# KiCad board Marble.kicad_pcb (continued)
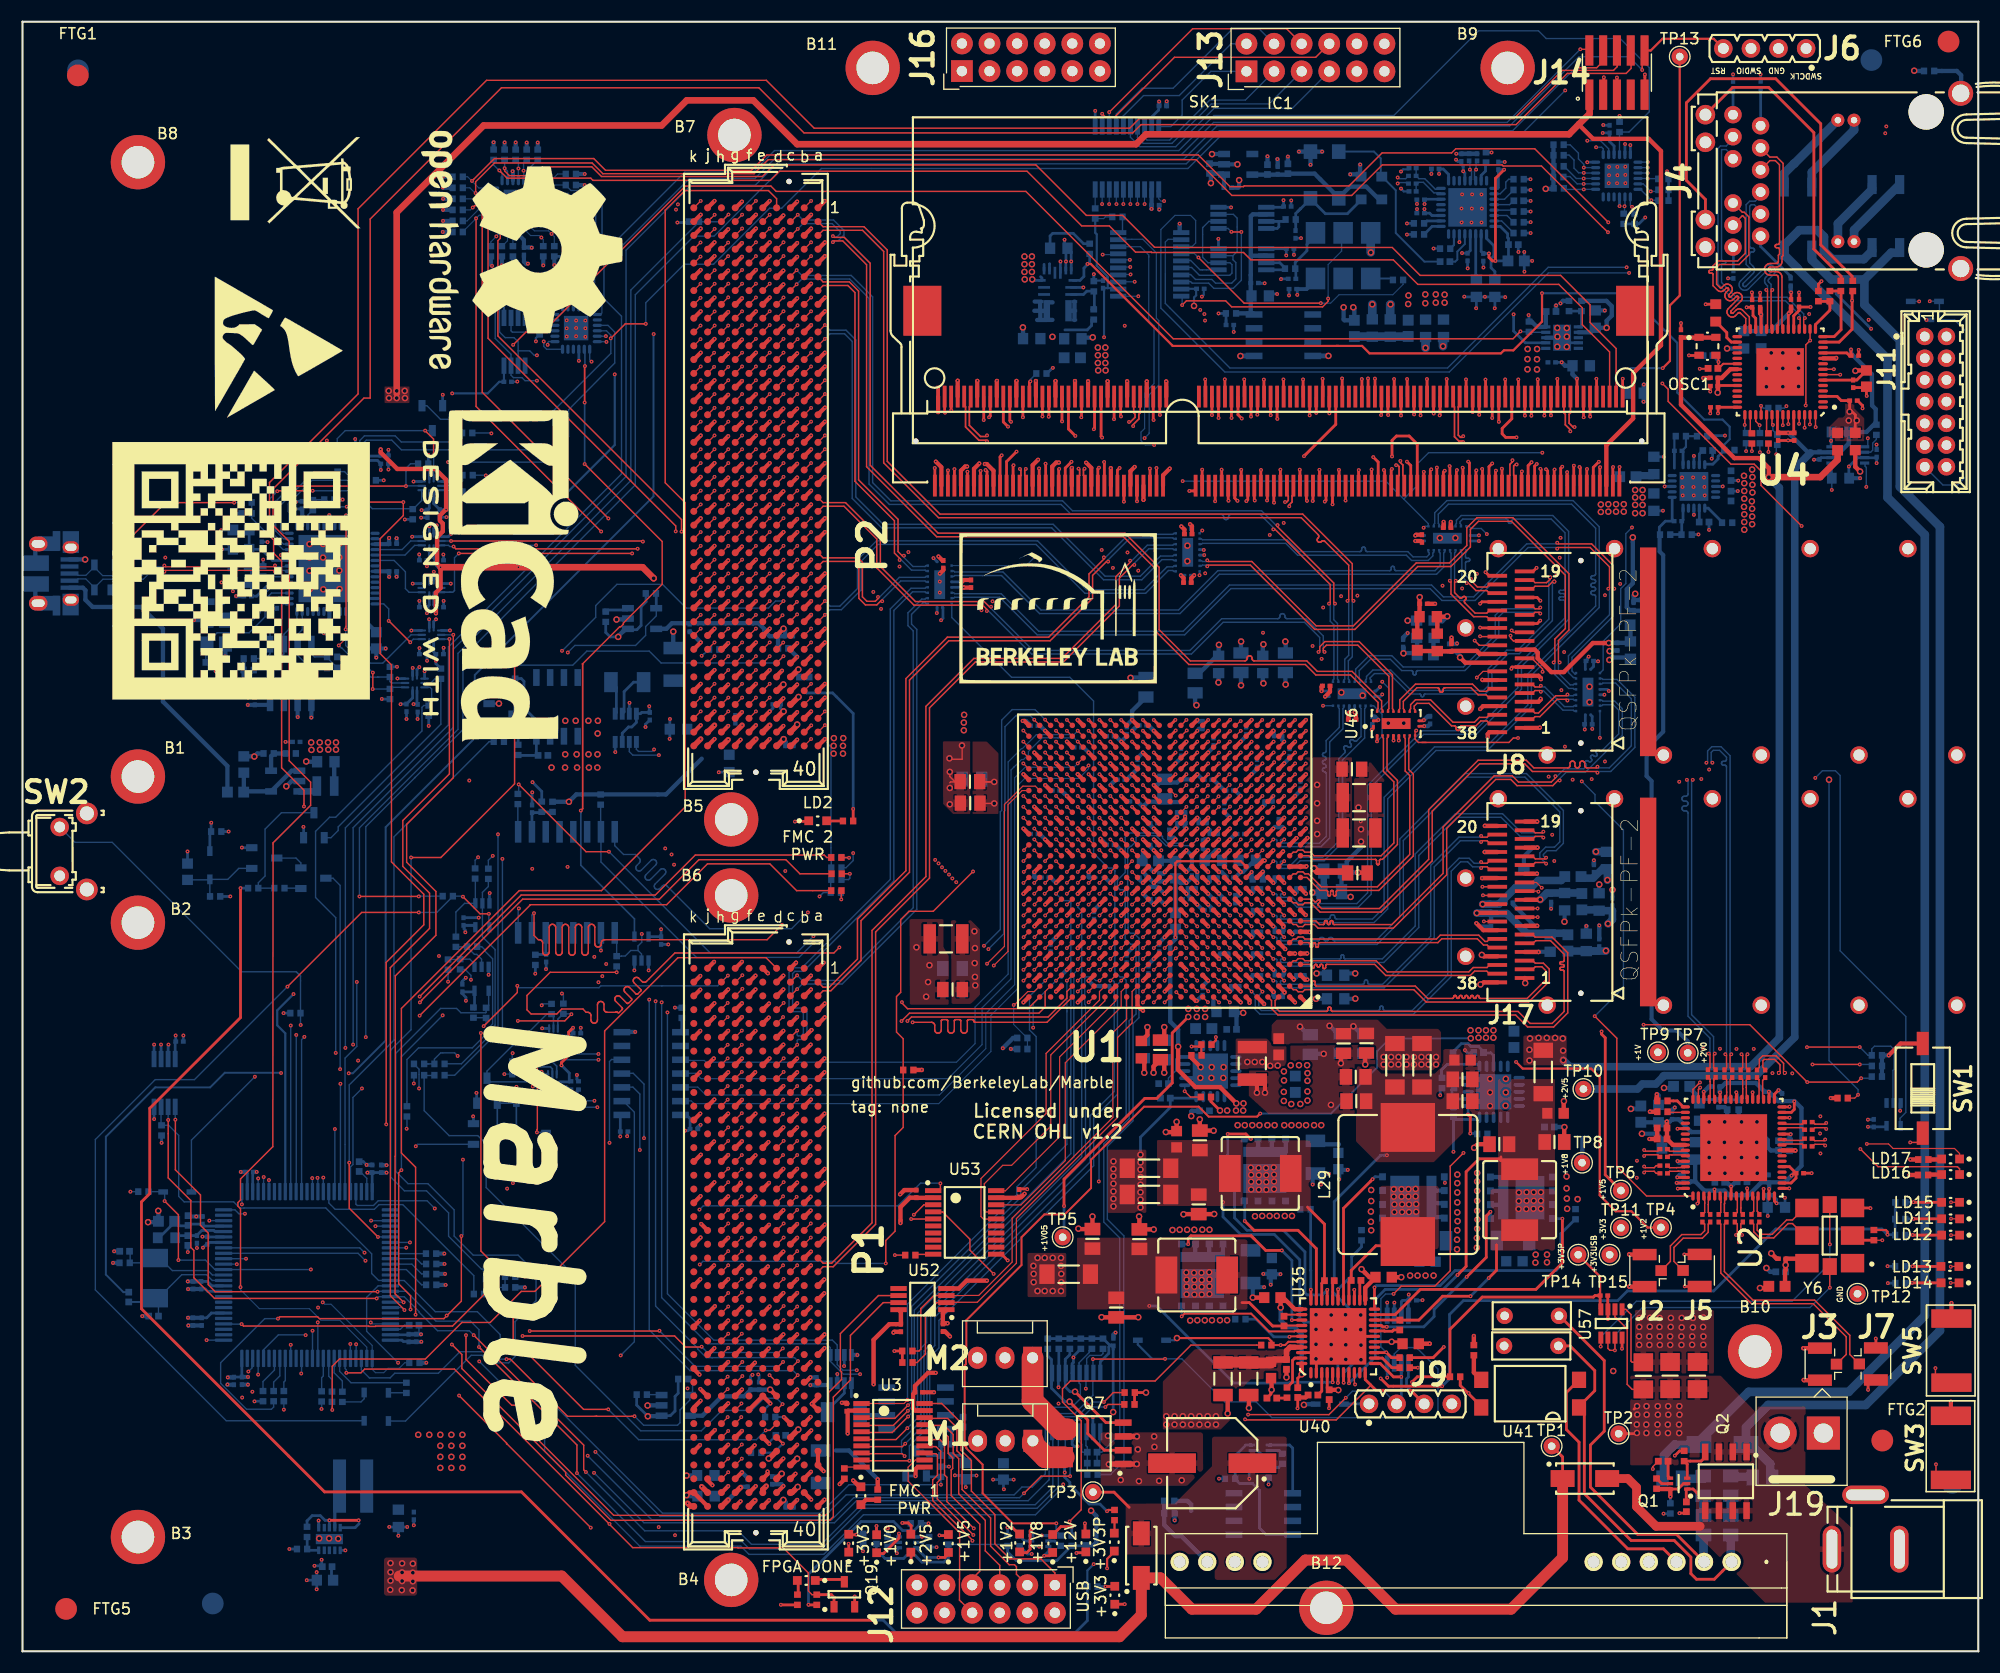
[diagram p0: board, top side]
## Routing (per net, layer and track width the routed paths; a pad name or vN(x,y) marks a point on that pad's centre or on a via; arc(x,y) is an arc through that point) (continued)
/PMOD/Pmod1_C_1: length 20.6
  Top w0.127: 83.2,21.44 85.14,21.44 86,20.58 86,18.46 86.47,17.98 86.47,14.89 89.1,12.27 89.1,9.68 90.81,7.97 91.3,7.97 91.48,7.78 91.48,7.09 J12.3
/PMOD/Pmod1_C_2: length 18.4
  Top w0.127: 83.2,20.79 84.83,20.79 85.66,19.95 85.66,18.23 86.16,17.72 86.16,14.5 88.61,12.05 88.61,9.24 89.94,7.91 J12.5
/PMOD/Pmod1_C_3: length 17.4
  Top w0.127: J12.7 87.4,6.67 88.1,7.37 88.1,11.7 85.47,14.33 85.47,16.69 85.61,16.82 85.61,17.81 85.2,18.21 85.2,19.74 84.81,20.14 83.2,20.14
/PMOD/Pmod1_C_4: length 22.7
  Top w0.127: v1(87.55,11.31) 85.07,13.79 85.07,16.02 84.86,16.24 84.86,19.06 84.43,19.49 83.2,19.49
  In9.Cu w0.127: v1(87.55,11.31) 87.56,11.3 89.46,11.3 93.66,7.11 93.66,4.91 J12.2
/PMOD/Pmod1_C_5: length 20.7
  Top w0.127: 83.2,18.84 84.07,18.84 84.51,18.41 84.51,15.85 84.19,15.53 84.19,14.03 v1(87.51,10.7)
  In9.Cu w0.127: J12.4 91.25,4.77 91.25,8.34 88.89,10.7 87.52,10.7 v1(87.51,10.7)
/PMOD/Pmod1_C_6: length 18.7
  Top w0.127: 83.2,18.19 84.07,18.19 84.21,18.06 84.21,16.21 83.77,15.78 83.77,14.62 ; v1(87.43,10.17) 87.43,10.22 83.77,13.87 83.77,14.62 ; 83.77,14.62 83.77,14.51
  In9.Cu w0.127: J12.6 88.68,4.81 88.68,9.48 87.98,10.18 87.43,10.18 v1(87.43,10.17)
/PMOD/Pmod1_C_7: length 17.6
  Top w0.102: U3.12 82.17,17.61 82.03,17.47 82.03,17.47 81.51,16.94 81.51,15.67 83.2,13.98
  Top w0.127: J12.8 86.23,4.71 86.23,6.65 86.25,6.66 86.25,10.93 83.2,13.98
/PMOD/Pmod2_0: length 56
  Top w0.102: U1.AE7 111.63,84.23 v1(112.12,84.72)
  In7.Cu w0.102: v1(112.12,84.72) 112.7,85.3 112.7,87.42 113.73,88.45 113.73,93.3 114.17,93.74 v1(114.17,93.75)
  In9.Cu w0.102: v1(114.17,93.75) 114.17,107.99 114.31,108.14 114.31,116.51 112.55,118.27 112.55,126.51 105.56,133.49 v1(105.06,133.49)
  Bottom w0.102: v1(105.06,133.49) 104.78,133.49 104.57,133.7 U12.1
  Bottom w0.4: 104.6,134.4 104.57,134.43
/PMOD/Pmod2_1: length 64.1
  Top w0.102: v1(112.13,77.75) 111.62,77.24 U1.V7
  In9.Cu w0.102: v1(103.27,133.21) 103.52,133.21 103.57,133.16 105.34,133.16 106.79,131.72 106.79,131.63 111.76,126.66 111.76,124.84 111.88,124.71 111.88,120.31 111.6,120.03 111.6,118.61 113.98,116.24 113.98,112.68 113.66,112.36 113.66,108.58 113.74,108.5 113.74,103.22 113.55,103.03 113.55,88.64 112.77,87.86 112.77,78.38 v1(112.13,77.75)
  Bottom w0.102: 103.27,134.43 103.27,133.22 v1(103.27,133.21)
/PMOD/Pmod2_2: length 61
  Top w0.102: U1.Y7 111.62,79.23 v1(112.14,79.75)
  In9.Cu w0.102: v1(102.61,133.21) 103.5,132.32 105,132.32 106.32,131.01 106.39,131.01 111.15,126.25 111.15,121.29 111.22,121.21 111.22,120.56 111.3,120.49 111.3,117.72 112.7,116.32 112.7,113.48 113,113.18 113,88.69 112.46,88.15 112.46,80.07 v1(112.14,79.75)
  Bottom w0.102: 102.62,134.43 102.62,133.22 v1(102.61,133.21)
/PMOD/Pmod2_3: length 55.5
  Top w0.102: U1.AF7 111.68,85.23 112.07,85.63 v1(112.12,85.63)
  In9.Cu w0.102: v1(101.97,133.21) 103.3,131.88 103.4,131.84 104.98,131.84 107.92,128.9 108.18,128.9 109.16,127.92 109.16,127.7 110.84,126.02 110.84,117.64 111.83,116.65 111.83,113.37 112.49,112.72 112.49,108.22 112.29,108.02 112.29,93.84 111.6,93.16 111.6,88.74 112.12,88.22 v1(112.12,85.63)
  Bottom w0.102: 101.97,134.43 v1(101.97,133.21)
/PMOD/Pmod2_4: length 63.7
  Top w0.102: U1.V8 110.62,77.24 v1(111.13,77.75)
  In9.Cu w0.102: 111.74,78.36 111.78,78.4 ; 111.74,78.36 v1(111.13,77.75) ; 111.74,78.36 111.74,86.46 ; 111.74,86.46 111.74,88.14 111.21,88.67 111.21,93.2 111.94,93.92 111.94,105.17 111.49,105.61 111.49,110.65 110.89,111.25 110.89,116.07 110.18,116.78 110.18,122.11 110.41,122.34 110.41,125.5 104.33,131.58 102.96,131.58 v1(101.32,133.21) ; 111.74,86.46 111.74,86.54
  Bottom w0.102: v1(101.32,133.21) 101.32,133.22 101.32,134.43
/PMOD/Pmod2_5: length 61
  Top w0.11: 110.59,80.23 v1(111.09,80.73)
  In9.Cu w0.102: v1(100.68,133.21) 102.61,131.28 103.96,131.28 108.38,126.86 108.61,126.86 109.75,125.72 109.75,120.06 109.8,120.01 109.8,116.47 110.56,115.71 110.56,110.99 111.25,110.3 111.25,106.7 110.66,106.11 110.66,105.75 111.58,104.84 111.58,94.12 110.91,93.45 110.91,88.62 111.47,88.06 111.47,81.12 v1(111.09,80.73)
  Bottom w0.102: v1(100.68,133.21) 100.67,133.23 100.67,134.43
/PMOD/Pmod2_6: length 62.3
  Top w0.102: v1(111.1,79.75) 110.62,79.26 U1.Y8
  In9.Cu w0.102: v1(100.01,133.21) 102.27,130.95 103.71,130.95 108.15,126.51 108.41,126.51 109.45,125.47 109.45,115.79 109.14,115.49 109.14,111.88 110.97,110.05 110.97,106.92 110.41,106.37 110.41,105.5 111.27,104.64 111.27,94.28 110.57,93.57 110.57,89.38 110.56,89.37 110.56,88.56 110.76,88.37 110.76,80.34 111.1,79.99 v1(111.1,79.75)
  Bottom w0.102: 100.02,134.43 100.02,133.22 v1(100.01,133.21)
/PMOD/Pmod2_7: length 63.9
  Top w0.102: v1(110.08,78.69) 109.62,78.23 U1.W9
  In9.Cu w0.102: 109.62,89.44 109.62,88.92 110.45,88.09 110.45,79.06 v1(110.08,78.69) ; 109.62,89.44 109.62,89.52 ; 109.62,89.44 109.62,93.02 110.94,94.35 110.94,104.33 110.09,105.19 110.09,106.91 110.72,107.53 110.72,109.82 108.79,111.75 108.79,115.71 109.19,116.12 109.19,124.7 103.25,130.65 101.91,130.65 99.36,133.2 v1(99.36,133.21)
  Bottom w0.102: 99.37,134.43 99.37,133.22 v1(99.36,133.21)
/PMOD/Pmod2_C_0: length 11
  Bottom w0.127: U12.20 105.68,140.36 106.73,141.4 106.73,142.79 109.37,145.43 J13.1
/PMOD/Pmod2_C_1: length 15.5
  Bottom w0.127: 103.27,140.23 103.27,139.34 103.5,139.11 105.59,139.11 109.27,142.79 112.54,142.79 J13.3
/PMOD/Pmod2_C_2: length 19
  Bottom w0.127: J13.5 114.73,142.43 109.42,142.43 105.79,138.8 103.15,138.8 102.62,139.33 102.62,140.23
/PMOD/Pmod2_C_3: length 22.4
  Bottom w0.127: 101.97,140.23 101.97,139.37 102.84,138.5 106.13,138.5 109.66,142.03 116.86,142.03 J13.7
/PMOD/Pmod2_C_4: length 15.2
  Bottom w0.127: J13.2 111.23,147.97 106.46,143.2 103.18,143.2 101.32,141.34 101.32,140.23
/PMOD/Pmod2_C_5: length 19.6
  Bottom w0.127: 100.67,140.23 100.67,141.5 103.04,143.88 105.9,143.88 111.35,149.32 113.83,149.32 J13.4
/PMOD/Pmod2_C_6: length 22.9
  Top w0.127: J13.6 116.34,149.36 107.7,149.36 v1(100.02,141.68)
  Bottom w0.127: 100.02,140.23 100.02,140.24 v1(100.02,141.68)
/PMOD/Pmod2_C_7: length 25.1
  Top w0.127: v1(99.37,141.52) 99.66,141.23 100.52,141.23 106.02,146.72 119.02,146.72 J13.8
  Bottom w0.127: v1(99.37,141.52) 99.37,140.23 99.37,140.23
/Power/Power_SW/EN_1V2: length 26.4
  Top w0.127: v1(132.62,45.87) 131.4,44.66 131.4,35.03 129.98,33.61 126.9,33.61 v1(126.18,32.9)
  Top w0.254: U35.14 125.54,27.49 126,27.03 R167.2
  Bottom w0.127: v1(126.18,32.9) 126.17,32.88 125.45,32.88 125.02,32.45 125.02,28.01 v1(125.51,27.52)
/Power/Power_SW/EN_1V8: length 2.7
  Top w0.254: R157.2 126.03,26.11 125.14,26.99 U35.13
/Power/Power_SW/PSS_XRP_BST1: length 1.7
  Top w0.178: C147.1 116.25,30.99 U35.35
/Power/Power_SW/PSS_XRP_BST2: length 1.8
  Top w0.254: U35.29 120.58,33.96 C148.1
/Power/Power_SW/PSS_XRP_BST3: length 1.8
  Top w0.254: U35.24 123.08,34.03 C149.1
/Power/Power_SW/PSS_XRP_BST4: length 2.4
  Top w0.254: U35.18 125.34,29.49 125.37,29.46 126.07,29.46 126.19,29.58 C150.1
/Power/Power_SW/PSS_XRP_GH1: length 18.5
  Top w0.178: v1(116.83,30.48) 116.83,30.49 U35.36
  Top w0.254: 113.08,38.24 114.42,36.9 v1(115.9,36.9) ; 113.08,38.24 107.54,38.24 107.29,37.99 v1(107.29,37.48) ; 113.08,38.24 113.36,37.96
  Bottom w0.254: v1(107.29,37.48) 107.29,37.48 Q10.1 ; v1(115.9,36.9) 116.83,35.97 v1(116.83,30.48)
/Power/Power_SW/PSS_XRP_GH2: length 25.7
  Top w0.254: U35.30 120.08,33.26 v1(120.09,33.27) ; v1(110.92,47.62) 112.6,47.62 v1(113.05,47.16)
  Bottom w0.254: v1(120.09,33.27) 119.63,32.81 118.21,32.81 118.03,32.99 118.03,36.76 116.04,38.75 112.7,38.75 111.55,39.89 111.55,43.91 110.92,44.54 v1(110.92,47.62) ; Q11.1 112.44,47.16 v1(113.05,47.16)
/Power/Power_SW/PSS_XRP_GH3: length 14.6
  Top w0.254: U35.25 122.58,33.27 v1(122.57,33.27)
  In2.Cu w0.254: v1(122.57,33.27) 130.91,41.61 v1(130.91,43.12)
  Bottom w0.254: 130.88,43.45 130.91,43.42 v1(130.91,43.12)
/Power/Power_SW/PSS_XRP_GH4: length 18.3
  Top w0.254: v1(135.1,40.45) 134.72,40.07 134.72,36.26 v1(132.92,34.46) ; v1(125.56,29.87) 125.55,29.86 125.19,29.86 125.07,29.99 U35.19
  Bottom w0.254: Q13.1 v1(135.1,40.45) ; v1(132.92,34.46) 129.92,31.46 129.92,30.82 128.97,29.87 v1(125.56,29.87)
/Power/Power_SW/PSS_XRP_GL1: length 12.8
  Top w0.178: v1(106.69,30.83) 106.94,31.08 113.08,31.08 114.72,29.44 117.06,29.44 117.1,29.49 U35.38
  Bottom w0.178: Q10.8 106.69,31.78 v1(106.69,30.83)
/Power/Power_SW/PSS_XRP_GL2: length 14.2
  Top w0.254: v1(112.49,39.6) 113.34,38.75 117.39,38.75 119.08,37.06 U35.32
  Bottom w0.254: Q11.8 112.49,41.42 v1(112.49,39.6)
/Power/Power_SW/PSS_XRP_GL3: length 13
  Top w0.254: v1(124.25,43.45) 121.58,40.77 U35.27
  Bottom w0.254: 124.97,43.68 124.48,43.68 v1(124.25,43.45)
/Power/Power_SW/PSS_XRP_GL4: length 24.3
  Top w0.254: U35.21 126.33,30.99 128.66,33.32 139.29,33.32 141.72,35.75 v1(141.72,39.82)
  Bottom w0.254: Q13.8 140.81,39.82 v1(141.72,39.82)
/Power/Power_SW/PSS_XRP_LX1: length 6.4
  Top w0.178: C147.2 116.15,29.99 U35.37
  Top w0.254: 112.24,32.1 112.9,32.1 115.06,29.94 C147.2
  vias: v2(107.11,34.86) v2(107.13,34.2) v2(107.13,33.57) v2(107.13,32.86) v2(107.82,34.84) v2(107.85,34.18) v2(107.85,33.54) v2(107.85,32.83) v2(108.51,34.84) v2(108.53,34.18) v2(108.53,33.54) v2(108.53,32.83) v2(109.22,34.89) v2(109.24,34.23) v2(109.24,33.59) v2(109.24,32.88)
/Power/Power_SW/PSS_XRP_LX2: length 9.3
  Top w0.254: U35.31 119.58,33.86 C148.2 119.83,39.32 118.26,40.88
  vias: v2(113.05,44.52) v2(113.08,43.86) v2(113.08,43.22) v2(113.08,42.51) v2(113.76,44.49) v2(113.79,43.83) v2(113.79,43.2) v2(113.79,42.48) v2(114.45,44.49) v2(114.47,43.83) v2(114.47,43.2) v2(114.47,42.48) v2(115.16,44.54) v2(115.19,43.88) v2(115.19,43.25) v2(115.19,42.54)
/Power/Power_SW/PSS_XRP_LX3: length 6.7
  Top w0.254: 125.19,37.33 124.56,37.33 122.29,35.05 C149.2 122.08,33.93 U35.26
  vias: v2(126.21,42.54) v2(126.21,41.85) v2(126.26,41.14) v2(126.26,40.43) v2(126.92,42.54) v2(126.92,41.85) v2(126.97,41.14) v2(126.97,40.43) v2(127.56,42.54) v2(127.56,41.85) v2(127.61,41.14) v2(127.61,40.43) v2(128.22,42.56) v2(128.22,41.88) v2(128.27,41.16) v2(128.27,40.45)
/Power/Power_SW/PSS_XRP_LX4: length 15.5
  Top w0.254: v1(133.27,32.68) 130.71,32.68 128.51,30.48 C150.2 126.75,30.49 U35.20 ; v1(134.95,34.36) 135.66,35.07 135.66,37.43
  Bottom w0.254: v1(133.27,32.68) v1(134.95,34.36)
  vias: v2(137.69,40.71) v2(137.72,42.23) v2(137.72,41.44) v2(138.43,42.26) v2(138.43,41.47) v2(138.4,40.71) v2(139.09,42.26) v2(139.09,41.47) v2(139.06,40.73) v2(139.75,42.26) v2(139.75,41.47) v2(139.75,40.73)
/Power/Power_SW/XR77129ILB_F_VOUT1: length 20.7
  Top w0.254: v1(120.58,24.76) 120.58,24.77 U35.5
  Bottom w0.254: v1(103.71,31.79) 104.38,31.79 111.49,24.68 116.58,24.68 116.66,24.76 v1(120.58,24.76)
/Power/Power_SW/XR77129ILB_F_VOUT2: length 25.5
  Top w0.254: U35.6 121.08,24.72 v1(121.06,24.7)
  Bottom w0.254: v1(121.06,24.7) 121.06,30.08 120.85,30.29 117.93,30.29 117.55,30.67 117.55,36.03 115.21,38.37 112.11,38.37 110.49,40 v1(110.49,41.34)
/Power/Power_SW/XR77129ILB_F_VOUT3: length 25.3
  Top w0.254: v1(121.59,24.72) 121.58,24.73 U35.7
  Bottom w0.254: v1(125.57,45.66) 125,45.66 120.73,41.39 120.73,34.36 120.6,34.23 120.6,33.06 122.37,31.28 122.37,26.41 121.59,25.62 v1(121.59,24.72)
/Power/Power_SW/XR77129ILB_F_VOUT4: length 32.1
  Top w0.254: v1(132.07,34.64) 132.86,35.43 132.86,44.14 134.06,45.33 135.89,45.33 136.06,45.16 136.06,45.51 ; U35.8 122.08,24.68 v1(122.08,24.67)
  Bottom w0.254: v1(132.07,34.64) 130.74,33.3 125.41,33.3 124.51,32.4 124.51,27.1 v1(122.08,24.67)
/QSFP1/QSFP_Vcc: length 11.2
  Top w0.4: v2(133.85,67.95) 133.87,67.97 135.76,67.97
  Bottom w0.102: 135.13,67.91 135.16,67.88 C406.1
  Bottom w0.7: 141.84,66.09 138.44,66.09 136.62,67.91 135.13,67.91 135.09,67.95 v2(133.85,67.95)
/QSFP1/QSFP_VccRx: length 5.5
  Top w0.4: v2(139.68,69.19) 139.66,69.17 138.27,69.17
  Bottom w0.7: L30.2 143.47,69.8 140.29,69.8 v2(139.68,69.19)
/QSFP1/QSFP_VccTx: length 9.9
  Top w0.4: v2(134.38,68.77) 134.39,68.77 135.76,68.77
  Bottom w0.7: 141.86,71.2 141.62,70.95 139.5,70.95 138.87,70.32 C408.1 137.43,70.32 135.88,68.77 v2(134.38,68.77)
/QSFP2/QSFP_Vcc: length 7.8
  Top w0.4: J8.30 132.79,91 v2(132.31,91.48)
  Bottom w0.4: 129.86,93.22 129.86,93.21 129.86,91.89 130,92.03 C301.1 131.9,92.03 132.31,91.62 v2(132.31,91.48)
/QSFP2/QSFP_VccRx: length 13.5
  Top w0.4: v2(145.99,92.81) 144.53,92.81 141.85,90.14 140.71,90.14 139.45,91.4 139.45,91.93 139.18,92.2 J8.10
  Bottom w0.4: v2(145.99,92.81) 146.01,92.83 C299.1 147.74,92.83 147.99,93.08 147.99,94.45 L1.2
/QSFP2/QSFP_VccTx: length 7.6
  Top w0.4: L2.2 128.44,92.07 C303.1 130.24,92.05 C300.1 131.55,92.08 133.85,92.08 134.13,91.8 ; 134.13,91.8 134.1,91.83 ; 134.13,91.8 J8.29
/SDRAM/DDR3_A0: length 39
  Top w0.254: U1.AC8 v1(111.12,82.73) ; SK1.98 115.47,113.46 v1(115.49,113.44)
  In7.Cu w0.135: v1(111.12,82.73) 110.78,83.07 110.78,84.54 110.79,84.55 110.79,88.21 111.49,88.92 111.49,96.64 116.8,101.95 116.8,104.51 115.55,105.76 115.55,108.47 115.32,108.71 115.32,111.03 115.32,111.1 115.35,111.16 115.38,111.22 115.43,111.27 115.49,111.3 115.55,111.33 115.62,111.33 115.76,111.33 115.83,111.34 115.89,111.36 115.95,111.4 115.99,111.45 116.03,111.5 116.05,111.57 116.06,111.63 116.05,111.7 116.03,111.76 115.99,111.82 115.95,111.87 115.89,111.9 115.83,111.93 115.76,111.93 114.87,111.93 114.81,111.94 114.74,111.96 114.69,112 114.64,112.05 114.6,112.1 114.58,112.17 114.57,112.23 114.58,112.3 114.6,112.36 114.64,112.42 114.69,112.47 114.74,112.5 114.81,112.53 114.87,112.53 115.02,112.53 115.08,112.54 115.15,112.56 115.2,112.6 115.25,112.65 115.29,112.7 115.31,112.77 115.32,112.83 115.32,113.26 v1(115.49,113.44)
/SDRAM/DDR3_A1: length 39
  Top w0.254: U1.AB10 v1(109.12,81.73) ; SK1.97 115.17,105.75 v1(115.19,105.73)
  In2.Cu w0.135: v1(109.12,81.73) 109.47,82.08 109.47,85.59 109.53,85.65 109.53,91 109.53,91.01 109.53,91.02 109.52,91.03 109.52,91.04 109.51,91.04 109.5,91.05 109.47,91.05 109.46,91.05 109.45,91.06 109.45,91.07 109.44,91.08 109.44,91.09 109.43,91.1 109.43,91.6 109.44,91.61 109.44,91.62 109.45,91.63 109.45,91.64 109.46,91.64 109.47,91.65 109.48,91.65 109.78,91.65 109.84,91.65 109.89,91.67 109.94,91.7 109.98,91.74 110.01,91.79 110.03,91.84 110.03,91.9 110.03,92 110.03,92.05 110.01,92.11 109.98,92.15 109.94,92.19 109.89,92.22 109.84,92.24 109.78,92.25 109.48,92.25 109.47,92.25 109.46,92.25 109.45,92.26 109.45,92.27 109.44,92.28 109.44,92.29 109.43,92.3 109.43,92.8 109.44,92.81 109.44,92.82 109.45,92.83 109.45,92.84 109.46,92.84 109.47,92.85 109.48,92.85 109.61,92.85 109.63,92.85 109.64,92.86 109.66,92.86 109.67,92.88 109.68,92.89 109.68,92.91 109.68,92.92 109.68,93.37 109.68,93.39 109.68,93.41 109.67,93.42 109.66,93.43 109.64,93.44 109.63,93.45 109.61,93.45 109.48,93.45 109.47,93.45 109.46,93.45 109.45,93.46 109.45,93.47 109.44,93.48 109.44,93.49 109.43,93.5 109.43,94 109.44,94.01 109.44,94.02 109.45,94.03 109.45,94.04 109.46,94.04 109.47,94.05 109.48,94.05 110.03,94.05 110.1,94.06 110.16,94.08 110.22,94.11 110.27,94.16 110.3,94.22 110.33,94.28 110.33,94.35 110.33,94.41 110.3,94.48 110.27,94.53 110.22,94.58 110.16,94.62 110.1,94.64 110.03,94.65 109.48,94.65 109.47,94.65 109.46,94.65 109.45,94.66 109.45,94.67 109.44,94.68 109.44,94.69 109.43,94.7 109.43,95.2 109.44,95.21 109.44,95.22 109.45,95.23 109.45,95.24 109.46,95.24 109.47,95.25 109.5,95.25 109.51,95.25 109.52,95.26 109.52,95.27 109.53,95.28 109.53,95.29 109.53,95.3 109.53,95.7 109.83,95.99 109.87,96.04 109.9,96.1 109.91,96.17 109.91,96.23 109.9,96.3 109.87,96.36 109.78,96.47 109.75,96.53 109.74,96.59 109.74,96.66 109.75,96.72 109.78,96.78 109.83,96.84 109.88,96.88 109.94,96.91 110,96.92 110.07,96.92 110.14,96.91 110.2,96.88 110.25,96.84 110.62,96.47 110.66,96.43 110.71,96.41 110.76,96.4 110.81,96.4 110.85,96.41 110.9,96.43 110.94,96.47 111.05,96.57 111.08,96.61 111.1,96.66 111.11,96.71 111.11,96.76 111.1,96.81 111.08,96.85 111.05,96.89 110.67,97.26 110.63,97.31 110.6,97.37 110.59,97.44 110.59,97.51 110.6,97.57 110.63,97.63 110.67,97.69 110.73,97.73 110.79,97.76 110.85,97.77 110.92,97.77 110.99,97.76 111.05,97.73 111.1,97.69 111.47,97.31 111.51,97.28 111.55,97.26 111.6,97.25 111.65,97.25 111.7,97.26 111.75,97.28 111.79,97.31 111.89,97.42 111.93,97.46 111.95,97.51 111.96,97.55 111.96,97.61 111.95,97.65 111.93,97.7 111.89,97.74 111.52,98.11 111.48,98.16 111.45,98.22 111.44,98.29 111.44,98.36 111.45,98.42 111.48,98.48 111.52,98.53 111.58,98.58 111.64,98.61 111.7,98.62 111.77,98.62 111.83,98.61 111.89,98.58 111.95,98.53 112.32,98.16 112.36,98.13 112.4,98.11 112.45,98.1 112.5,98.1 112.55,98.11 112.6,98.13 112.64,98.16 112.74,98.27 112.77,98.31 112.8,98.35 112.81,98.4 112.81,98.45 112.8,98.5 112.77,98.55 112.74,98.59 112.37,98.96 112.33,99.01 112.3,99.07 112.29,99.14 112.29,99.2 112.3,99.27 112.33,99.33 112.37,99.38 112.42,99.42 112.48,99.45 112.55,99.47 112.62,99.47 112.68,99.45 112.74,99.42 112.8,99.38 113.17,99.01 113.21,98.98 113.25,98.96 113.3,98.95 113.35,98.95 113.4,98.96 113.45,98.98 113.49,99.01 113.59,99.12 113.62,99.16 113.64,99.2 113.66,99.25 113.66,99.3 113.64,99.35 113.62,99.4 113.59,99.44 113.22,99.81 113.18,99.86 113.15,99.92 113.13,99.99 113.13,100.05 113.15,100.12 113.18,100.18 113.22,100.23 113.27,100.27 113.33,100.3 113.4,100.32 113.47,100.32 113.53,100.3 113.59,100.27 113.7,100.19 113.76,100.16 113.82,100.15 113.89,100.15 113.96,100.16 114.02,100.19 114.07,100.23 114.28,100.44 114.28,104.82 v1(115.19,105.73)
/SDRAM/DDR3_A2: length 39.1
  Top w0.254: U1.AA9 v1(110.12,80.73) ; SK1.96 114.87,113.8 v1(114.88,113.78)
  In2.Cu w0.135: v1(114.88,113.78) 114.88,106.59 116.51,104.97 116.51,103.42 115.53,102.44 115.53,100.71 110.58,95.77 110.58,89 109.78,88.19 109.78,81.07 v1(110.12,80.73)
/SDRAM/DDR3_A3: length 39
  Top w0.254: U1.AA10 v1(109.12,80.73) ; v1(114.54,105.93) 114.57,105.96 SK1.95
  In7.Cu w0.135: v1(114.54,105.93) 114.54,105.08 113.75,104.3 113.75,100.57 113.51,100.33 113.46,100.29 113.4,100.26 113.33,100.25 113.26,100.25 113.2,100.26 113.14,100.29 113.09,100.33 112.99,100.43 112.93,100.47 112.87,100.5 112.81,100.52 112.74,100.52 112.67,100.5 112.61,100.47 112.56,100.43 112.52,100.38 112.49,100.32 112.48,100.25 112.48,100.19 112.49,100.12 112.52,100.06 112.56,100.01 113.29,99.28 113.33,99.23 113.36,99.17 113.38,99.1 113.38,99.03 113.36,98.97 113.33,98.91 113.29,98.85 113.24,98.81 113.18,98.78 113.11,98.77 113.05,98.77 112.98,98.78 112.92,98.81 112.87,98.85 112.14,99.58 112.09,99.63 112.02,99.66 111.96,99.67 111.89,99.67 111.83,99.66 111.77,99.63 111.71,99.58 111.67,99.53 111.64,99.47 111.63,99.41 111.63,99.34 111.64,99.27 111.67,99.21 111.71,99.16 112.44,98.43 112.48,98.38 112.51,98.32 112.53,98.25 112.53,98.18 112.51,98.12 112.48,98.06 112.44,98.01 112.39,97.96 112.33,97.94 112.26,97.92 112.2,97.92 112.13,97.94 112.07,97.96 112.02,98.01 111.81,98.21 111.76,98.25 111.7,98.28 111.63,98.3 111.57,98.3 111.5,98.28 111.44,98.25 111.39,98.21 110.84,97.67 110.84,97.6 110.81,97.54 110.78,97.48 110.73,97.43 110.67,97.4 110.61,97.37 110.54,97.37 110.2,97.37 110.14,97.36 110.07,97.34 110.02,97.3 109.97,97.25 109.93,97.2 109.91,97.13 109.9,97.07 109.91,97 109.93,96.94 109.97,96.88 110.02,96.83 110.07,96.8 110.14,96.77 110.2,96.77 111.04,96.77 111.08,96.76 111.12,96.75 111.16,96.72 111.19,96.69 111.21,96.66 111.23,96.61 111.23,96.57 111.23,96.36 111.23,96.32 111.21,96.28 111.19,96.24 111.16,96.21 111.12,96.19 111.08,96.17 111.04,96.17 110.2,96.17 110.14,96.16 110.07,96.14 110.02,96.1 109.97,96.05 109.93,96 109.91,95.93 109.9,95.87 109.91,95.8 109.93,95.74 109.97,95.68 110.02,95.63 110.07,95.6 110.14,95.57 110.2,95.57 111.04,95.57 111.08,95.56 111.12,95.55 111.16,95.52 111.19,95.49 111.21,95.46 111.23,95.41 111.23,95.37 111.23,95.16 111.23,95.12 111.21,95.08 111.19,95.04 111.16,95.01 111.12,94.99 111.08,94.97 110.99,94.96 110.95,94.95 110.92,94.92 110.89,94.89 110.86,94.86 110.85,94.81 110.84,94.77 110.84,91 109.59,89.75 109.59,81.2 v1(109.12,80.73)
/SDRAM/DDR3_A4: length 39
  Top w0.254: 108.61,83.23 v1(109.11,83.73) ; v1(113.65,113.83) 113.67,113.85 SK1.92
  In2.Cu w0.135: v1(109.11,83.73) 108.76,84.08 108.76,86.05 109.17,86.46 109.17,96.56 113.59,100.98 113.59,105.55 113.78,105.74 113.78,106.06 113.47,106.36 113.47,110.66 113.47,110.68 113.47,110.7 113.46,110.71 113.45,110.72 113.43,110.73 113.42,110.74 113.38,110.74 113.37,110.75 113.35,110.76 113.34,110.77 113.33,110.78 113.33,110.8 113.32,110.81 113.32,111.06 113.33,111.08 113.33,111.1 113.34,111.11 113.35,111.12 113.37,111.13 113.38,111.14 113.4,111.14 114.22,111.14 114.27,111.14 114.31,111.16 114.35,111.18 114.38,111.21 114.4,111.25 114.42,111.29 114.42,111.34 114.42,111.38 114.4,111.43 114.38,111.46 114.35,111.5 114.31,111.52 114.27,111.53 114.22,111.54 113.4,111.54 113.38,111.54 113.37,111.55 113.35,111.56 113.34,111.57 113.33,111.58 113.33,111.6 113.32,111.61 113.32,111.86 113.33,111.88 113.33,111.9 113.34,111.91 113.35,111.92 113.37,111.93 113.38,111.94 113.4,111.94 114.22,111.94 114.27,111.94 114.31,111.96 114.35,111.98 114.38,112.01 114.4,112.05 114.42,112.09 114.42,112.14 114.42,112.18 114.4,112.23 114.38,112.26 114.35,112.3 114.31,112.32 114.27,112.33 114.22,112.34 113.4,112.34 113.38,112.34 113.37,112.35 113.35,112.36 113.34,112.37 113.33,112.38 113.33,112.4 113.32,112.41 113.32,112.66 113.33,112.68 113.33,112.7 113.34,112.71 113.35,112.72 113.37,112.73 113.38,112.74 113.42,112.74 113.43,112.75 113.45,112.76 113.46,112.77 113.47,112.78 113.47,112.8 113.47,112.81 113.47,113.66 v1(113.65,113.83)
/SDRAM/DDR3_A5: length 41.7
  Top w0.254: U1.AC12 v1(107.12,82.73) ; v1(113.41,105.93) 113.37,105.98 SK1.91
  In7.Cu w0.135: 108.46,83.97 108.46,86.53 108.65,86.71 108.65,87.16 107.67,88.14 107.67,96.85 110.35,99.53 110.35,103.5 110.36,103.57 110.38,103.63 110.41,103.69 110.46,103.73 110.52,103.77 110.58,103.79 110.65,103.8 111,103.8 111.06,103.81 111.13,103.83 111.18,103.86 111.23,103.91 111.27,103.97 111.29,104.03 111.3,104.1 111.29,104.17 111.27,104.23 111.23,104.29 111.18,104.33 111.13,104.37 111.06,104.39 111,104.4 109.7,104.4 109.63,104.41 109.57,104.43 109.51,104.46 109.46,104.51 109.43,104.57 109.41,104.63 109.4,104.7 109.41,104.77 109.43,104.83 109.46,104.89 109.51,104.93 109.57,104.97 109.63,104.99 109.7,105 110.75,105 110.81,105.01 110.88,105.03 110.93,105.06 110.98,105.11 111.02,105.17 111.04,105.23 111.05,105.3 111.04,105.37 111.02,105.43 110.98,105.49 110.93,105.53 110.88,105.57 110.81,105.59 110.75,105.6 110.25,105.6 110.23,105.6 110.2,105.61 110.19,105.62 110.17,105.64 110.16,105.66 110.15,105.68 110.15,105.7 110.15,106.1 110.15,106.12 110.16,106.14 110.17,106.16 110.19,106.18 110.2,106.19 110.23,106.2 110.25,106.2 110.7,106.2 110.76,106.21 110.83,106.23 110.88,106.26 110.93,106.31 110.97,106.37 110.99,106.43 111,106.5 110.99,106.57 110.97,106.63 110.93,106.69 110.88,106.73 110.83,106.77 110.76,106.79 110.7,106.8 109.7,106.8 109.63,106.81 109.57,106.83 109.51,106.86 109.46,106.91 109.43,106.97 109.41,107.03 109.4,107.1 109.41,107.17 109.43,107.23 109.46,107.29 109.51,107.33 109.57,107.37 109.63,107.39 109.7,107.4 110.05,107.4 110.11,107.41 110.18,107.43 110.23,107.46 110.28,107.51 110.32,107.57 110.34,107.63 110.35,107.7 110.35,107.99 110.74,108.38 111.87,108.38 113.41,106.85 v1(113.41,105.93) ; v1(107.12,82.73) 107.67,83.28 108.18,83.28 108.46,83.56 108.46,83.95
/SDRAM/DDR3_A6: length 39
  Top w0.254: U1.AB11 v1(108.12,81.73) ; v1(113.07,113.66) 113.07,113.66 SK1.90
  In2.Cu w0.135: v1(113.07,113.66) 113.07,110.23 113.06,110.16 113.04,110.1 113,110.04 112.95,109.99 112.9,109.96 112.83,109.93 112.77,109.93 112.43,109.93 112.36,109.92 112.3,109.9 112.24,109.86 112.19,109.81 112.16,109.76 112.14,109.69 112.13,109.63 112.14,109.56 112.16,109.5 112.19,109.44 112.24,109.39 112.3,109.36 112.36,109.33 112.43,109.33 113.13,109.33 113.15,109.32 113.16,109.32 113.18,109.31 113.19,109.3 113.2,109.29 113.2,109.27 113.2,109.26 113.2,108.79 113.2,108.78 113.2,108.77 113.19,108.75 113.18,108.74 113.16,108.73 113.15,108.73 113.13,108.73 112.77,108.73 112.71,108.72 112.64,108.7 112.59,108.66 112.54,108.62 112.51,108.56 112.49,108.5 112.48,108.43 112.48,108.42 112.49,108.35 112.51,108.29 112.54,108.24 112.59,108.19 112.64,108.16 112.71,108.13 112.84,108.12 112.9,108.1 112.95,108.06 113,108.02 113.04,107.96 113.06,107.9 113.07,107.83 113.07,101.62 108.65,97.2 108.65,86.71 108.51,86.57 108.51,82.12 v1(108.12,81.73)
/SDRAM/DDR3_A7: length 39
  Top w0.254: U1.AC11 v1(108.12,82.73) ; SK1.86 111.87,113.82 v1(112.21,113.48)
  In7.Cu w0.135: v1(108.12,82.73) 108.76,83.37 108.76,86.46 108.88,86.59 108.88,87.26 108.76,87.38 108.76,97.04 112.95,101.23 112.95,104.49 113.75,105.29 113.75,107.67 112.21,109.21 112.21,111.04 112.22,111.11 112.24,111.17 112.28,111.23 112.33,111.28 112.38,111.31 112.45,111.34 112.51,111.34 112.69,111.34 112.75,111.35 112.82,111.37 112.87,111.41 112.92,111.46 112.96,111.51 112.98,111.58 112.99,111.64 112.98,111.71 112.96,111.77 112.92,111.83 112.87,111.88 112.82,111.91 112.75,111.94 112.69,111.94 111.74,111.94 111.68,111.95 111.61,111.97 111.55,112.01 111.51,112.06 111.47,112.11 111.45,112.18 111.44,112.24 111.45,112.31 111.47,112.37 111.51,112.43 111.55,112.48 111.61,112.51 111.68,112.54 111.74,112.54 111.91,112.54 111.98,112.55 112.04,112.57 112.1,112.61 112.15,112.66 112.18,112.71 112.21,112.78 112.21,112.84 v1(112.21,113.48)
